# KiCad board yddraig68k.kicad_pcb (continued)
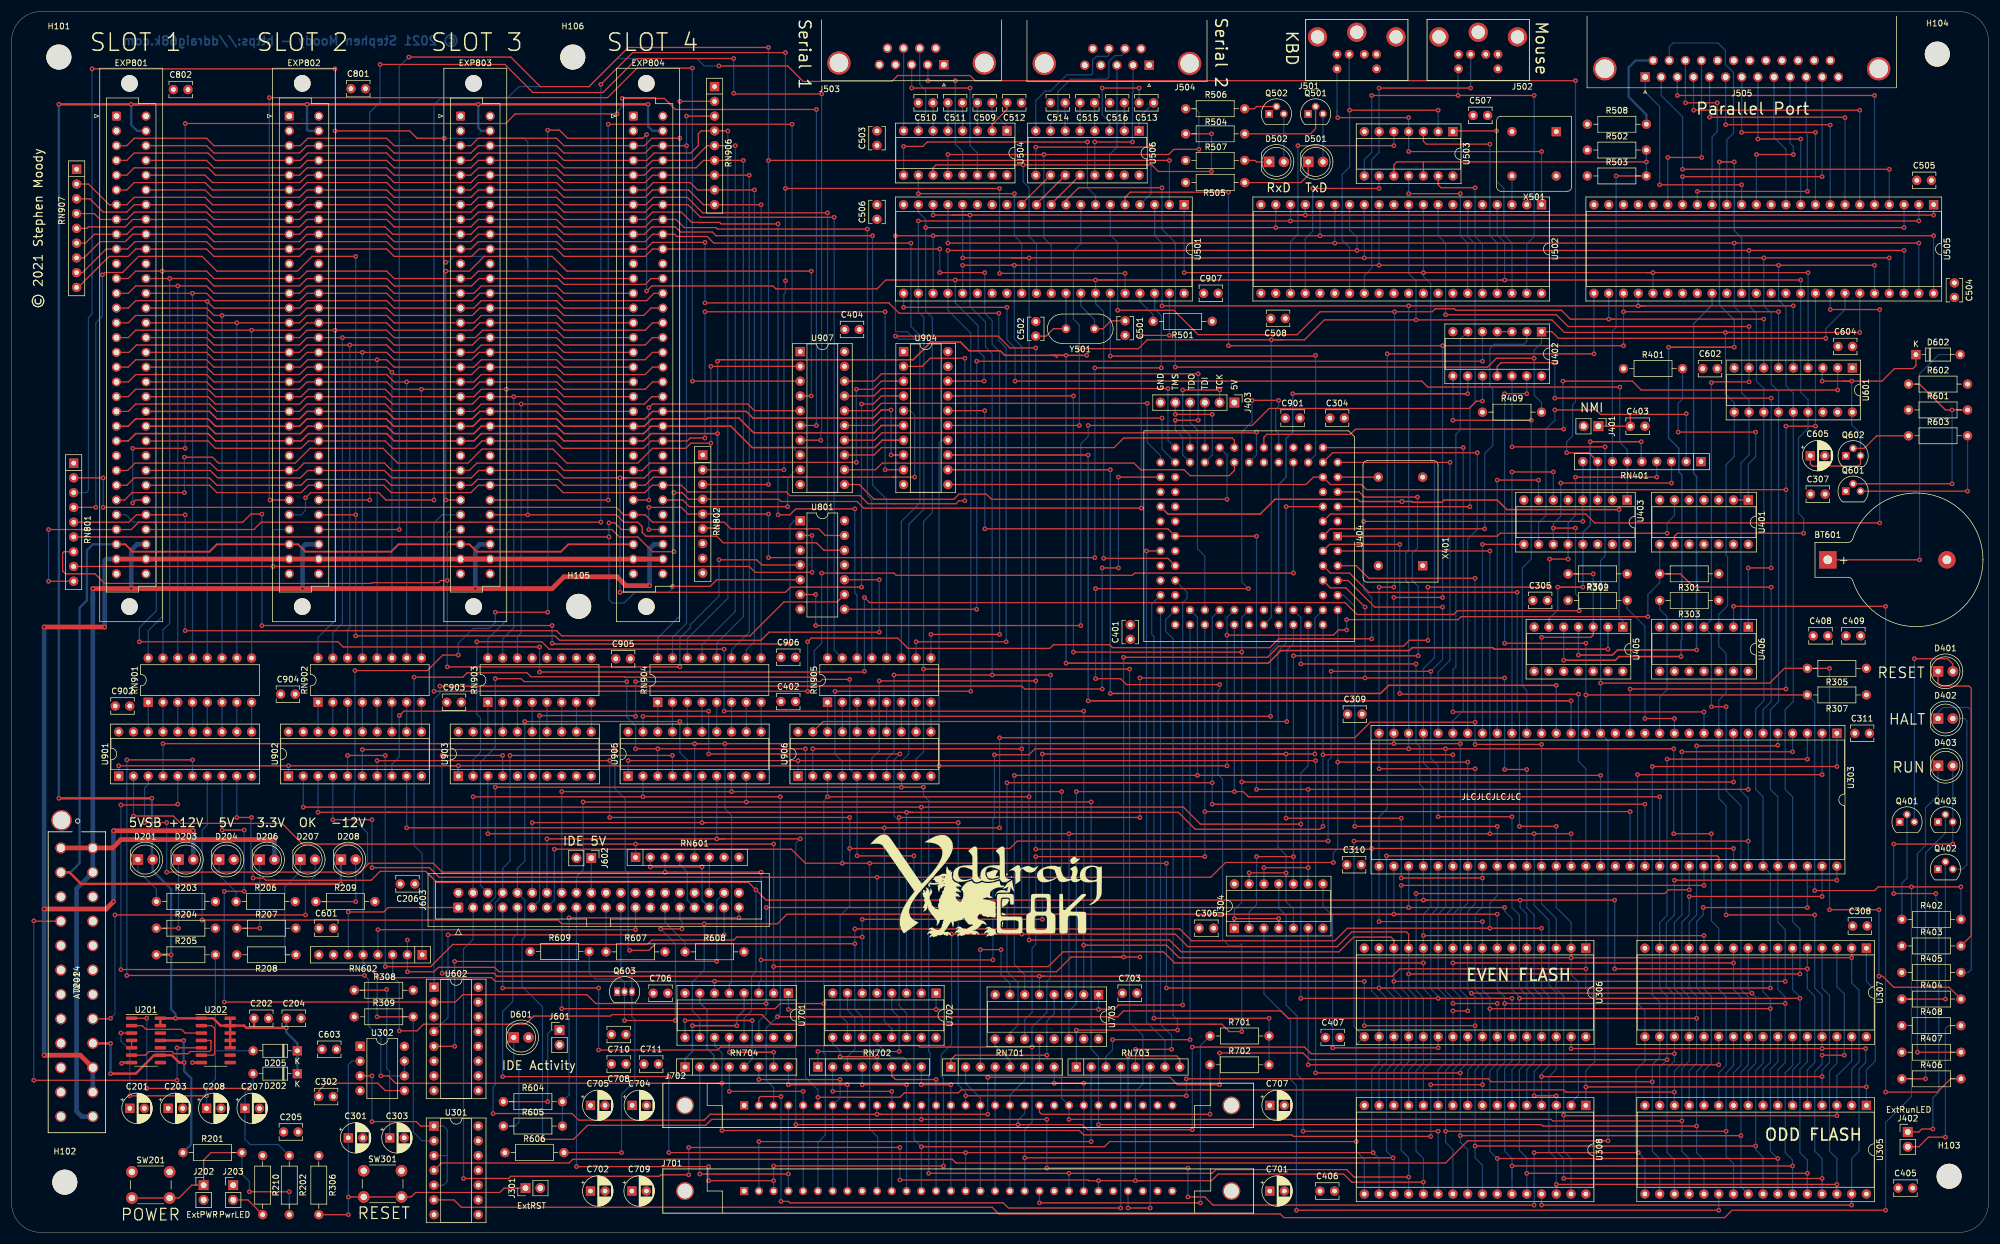
[diagram p0: board, top side]
## Routing (per net, layer and track width the routed paths; a pad name or vN(x,y) marks a point on that pad's centre or on a via; arc(x,y) is an arc through that point) (continued)
Net-(J702-Pad27): length 19
  Top w0.203: RN703.8 200.91,29.84 200.41,30.35 v1(192.02,30.35)
  Bottom w0.203: J702.27 v1(192.02,30.35)
Net-(Q401-Pad2): length 18.4
  Bottom w0.203: R402.1 325.12,60.07 326.01,60.96 Q401.2
Net-(Q402-Pad2): length 31.1
  Top w0.203: v1(332.61,40.13) R404.1
  Bottom w0.203: Q402.2 v1(332.61,40.13)
Net-(Q403-Pad2): length 51
  Top w0.203: v1(329.18,26.42) R406.1
  Bottom w0.203: v1(329.18,26.42) 329.18,65.28 332.61,68.71 Q403.2
Net-(Q501-Pad2): length 16.4
  Top w0.203: R504.1 223.39,188.98 224.28,189.87 Q501.2
Net-(Q502-Pad2): length 5.6
  Top w0.203: R506.1 213.74,193.29 214.12,193.68 Q502.2
Net-(Q601-Pad2): length 41.7
  Top w0.203: R602.1 328.17,145.92 332.61,141.48 v1(333.76,141.48) R601.2 ; Q601.2 v1(333.76,128.78)
  Bottom w0.203: v1(333.76,128.78) v1(333.76,141.48)
Net-(Q601-Pad3): length 27.9
  Top w0.203: Q601.3 v1(336.42,127.51)
  Bottom w0.203: v1(336.42,127.51) R603.2
Net-(Q602-Pad2): length 10.4
  Top w0.203: R603.1 320.8,137.03 318.64,134.87 Q602.2
Net-(R303-Pad2): length 23.9
  Bottom w0.203: U303.13 283.46,92.07 284.73,93.34 284.73,105.92 283.46,107.19 R303.2
Net-(R304-Pad2): length 29.2
  Top w0.203: v1(280.92,88.39) v1(286,88.39)
  Bottom w0.203: v1(286,88.39) U303.12 ; v1(280.92,88.39) 280.92,104.27 277.88,107.31 R304.2
Net-(R401-Pad2): length 39.3
  Top w0.203: v1(286.64,137.67) v1(299.97,137.67) ; U401.2 U401.1
  Bottom w0.203: v1(299.97,137.67) 299.97,133.41 298.7,132.14 U401.1 ; R401.2 287.4,143.38 286.64,142.62 v1(286.64,137.67)
Net-(R501-Pad2): length 5.8
  Bottom w0.203: U501.37 194.06,160.15 196.34,157.86 R501.2
Net-(RN401-Pad5): length 49.9
  Top w0.25: v1(271.53,136.02) v1(280.29,136.02) ; v1(265.94,111) v1(270.26,111)
  Bottom w0.25: v1(280.29,136.02) 280.29,132.72 RN401.5 ; 271.53,134.49 271.53,121.67 270.26,120.4 U403.13 v1(270.26,111) ; 271.53,134.49 271.53,134.75 ; 271.53,134.49 v1(271.53,136.02) ; U405.6 264.41,105.54 265.94,107.06 v1(265.94,111)
Net-(RN701-Pad1): length 29
  Top w0.203: RN701.1 161.54,29.72 162.31,30.48 v1(178.05,30.48)
  Bottom w0.203: v1(178.05,30.48) 178.05,36.32 179.32,37.59 U703.4
Net-(RN701-Pad3): length 32.1
  Top w0.203: v1(166.62,48.64) v1(170.18,48.64)
  Bottom w0.203: v1(166.62,48.64) RN701.3 ; v1(170.18,48.64) 170.18,44.32 171.7,42.8 U703.7
Net-(RN701-Pad5): length 5.9
  Bottom w0.25: RN701.5 171.7,29.59 169.16,32.13 U703.9
Net-(RN701-Pad7): length 4.8
  Bottom w0.25: RN701.7 U703.12
Net-(RN702-Pad1): length 27.2
  Top w0.203: v1(152.65,31.12) v1(138.68,31.12)
  Bottom w0.203: v1(152.65,31.12) 152.65,36.96 151.38,38.23 U702.4 ; v1(138.68,31.12) RN702.1
Net-(RN702-Pad3): length 13.8
  Bottom w0.203: U702.7 143.76,38.23 145.03,36.96 145.03,31.5 143.76,30.23 RN702.3
Net-(RN702-Pad5): length 12
  Top w0.203: v1(148.84,30.23) v1(142.49,30.23)
  Bottom w0.203: v1(142.49,30.23) 142.49,31.24 141.22,32.51 U702.9 ; RN702.5 v1(148.84,30.23)
Net-(RN702-Pad7): length 8.4
  Bottom w0.203: U702.12 148.84,32.51 151.26,30.1 153.42,30.1 153.92,29.59 RN702.7
Net-(RN704-Pad1): length 21.4
  Top w0.25: v1(117.09,35.56) v1(124.71,35.56)
  Bottom w0.25: RN704.1 115.82,29.84 117.09,31.12 v1(117.09,35.56) ; v1(124.71,35.56) 124.71,36.96 125.98,38.23 U701.4
Net-(RN704-Pad3): length 13.8
  Bottom w0.25: U701.7 118.36,39.5 119.63,38.23 119.63,31.62 120.78,30.48 120.78,28.57 RN704.3
Net-(RN704-Pad5): length 23.1
  Top w0.25: v1(127.38,36.45) v1(115.82,36.45)
  Bottom w0.25: U701.9 v1(115.82,36.45) ; RN704.5 127.38,29.85 v1(127.38,36.45)
Net-(RN704-Pad7): length 12.7
  Top w0.25: v1(131.06,30.99) v1(123.44,30.99)
  Bottom w0.25: v1(123.44,30.99) U701.12 ; RN704.7 v1(131.06,30.99)
Net-(RN901-Pad1): length 5.1
  Bottom w0.203: RN901.1 U901.18
Net-(RN901-Pad2): length 5.1
  Bottom w0.203: U901.17 RN901.2
Net-(RN901-Pad3): length 5.1
  Bottom w0.203: RN901.3 U901.16
Net-(RN901-Pad4): length 5.1
  Bottom w0.203: U901.15 RN901.4
Net-(RN901-Pad5): length 5.1
  Bottom w0.203: RN901.5 U901.14
Net-(RN901-Pad6): length 5.1
  Bottom w0.203: U901.13 RN901.6
Net-(RN901-Pad7): length 5.1
  Bottom w0.203: RN901.7 U901.12
Net-(RN901-Pad8): length 5.1
  Bottom w0.203: U901.11 RN901.8
Net-(RN902-Pad1): length 5.1
  Bottom w0.203: RN902.1 U902.18
Net-(RN902-Pad2): length 5.1
  Bottom w0.203: U902.17 RN902.2
Net-(RN902-Pad3): length 5.1
  Bottom w0.203: RN902.3 U902.16
Net-(RN902-Pad4): length 5.1
  Bottom w0.203: U902.15 RN902.4
Net-(RN902-Pad5): length 5.1
  Bottom w0.203: RN902.5 U902.14
Net-(RN902-Pad6): length 5.1
  Bottom w0.203: U902.13 RN902.6
Net-(RN902-Pad7): length 5.1
  Bottom w0.203: RN902.7 U902.12
Net-(RN902-Pad8): length 5.1
  Bottom w0.203: U902.11 RN902.8
Net-(RN903-Pad1): length 5.1
  Bottom w0.203: RN903.1 U903.18
Net-(RN903-Pad2): length 5.1
  Bottom w0.203: U903.17 84.46,91.19
Net-(RN903-Pad3): length 5.1
  Bottom w0.203: RN903.3 U903.16
Net-(RN903-Pad4): length 5.1
  Bottom w0.203: U903.15 RN903.4
Net-(RN903-Pad5): length 5.1
  Bottom w0.203: 92.08,91.19 U903.14
Net-(RN903-Pad6): length 5.1
  Bottom w0.203: U903.13 94.62,91.19
Net-(RN903-Pad7): length 5.1
  Bottom w0.203: RN903.7 U903.12
Net-(RN903-Pad8): length 5.1
  Bottom w0.203: U903.11 RN903.8
Net-(RN904-Pad1): length 5.1
  Bottom w0.203: RN904.1 111.12,86.11
Net-(RN904-Pad2): length 5.1
  Bottom w0.203: 113.66,86.11 RN904.2
Net-(RN904-Pad3): length 5.1
  Bottom w0.203: RN904.3 U905.16
Net-(RN904-Pad4): length 5.1
  Bottom w0.203: U905.15 RN904.4
Net-(RN904-Pad5): length 5.1
  Bottom w0.203: RN904.5 121.28,86.11
Net-(RN904-Pad6): length 5.1
  Bottom w0.203: U905.13 RN904.6
Net-(RN904-Pad7): length 5.1
  Bottom w0.203: RN904.7 U905.12
Net-(RN904-Pad8): length 5.1
  Bottom w0.203: 128.91,86.11 RN904.8
Net-(RN905-Pad1): length 5.1
  Bottom w0.203: RN905.1 U906.18
Net-(RN905-Pad2): length 5.1
  Bottom w0.203: U906.17 RN905.2
Net-(RN905-Pad3): length 5.1
  Bottom w0.203: RN905.3 U906.16
Net-(RN905-Pad4): length 5.1
  Bottom w0.203: 147.96,86.11 RN905.4
Net-(RN905-Pad5): length 5.1
  Bottom w0.203: RN905.5 U906.14
Net-(RN905-Pad6): length 5.1
  Bottom w0.203: U906.13 RN905.6
Net-(RN905-Pad7): length 5.1
  Bottom w0.203: RN905.7 155.58,86.11
Net-(RN905-Pad8): length 5.1
  Bottom w0.203: U906.11 RN905.8
Net-(U201-Pad2): length 12.5
  Top w0.203: U201.2 22.48,35.56 23.11,34.93 29.21,34.93 29.84,34.29 U202.3
Net-(U201-Pad4): length 1.3
  Top w0.203: U201.4 U201.5
Net-(U201-Pad6): length 17.6
  Top w0.203: U201.6 22.99,30.48 23.62,31.12 27.56,31.12 27.94,30.73 30.35,30.73 30.73,31.12 34.04,31.12 34.29,31.37 34.29,32.89 34.16,33.02 U202.4
Net-(U202-Pad2): length 9.2
  Top w0.203: U202.6 34.67,30.48 34.92,30.73 34.92,35.05 34.42,35.56 U202.2
Net-(U304-Pad3): length 126.3
  Top w0.203: v1(293.62,3.81) v1(220.98,3.81)
  Bottom w0.203: v1(220.98,3.81) 220.98,25.27 219.96,26.29 219.96,36.45 215.39,41.02 U304.3 ; U305.22 v1(293.62,3.81)
Net-(U304-Pad6): length 98.9
  Top w0.203: v1(293.62,28.83) v1(223.01,28.83)
  Bottom w0.203: v1(293.62,28.83) U307.22 ; U304.6 v1(223.01,28.83)
Net-(U304-Pad8): length 48.9
  Top w0.203: v1(227.2,31.75) v1(245.36,31.75)
  Bottom w0.203: U306.22 v1(245.36,31.75) ; v1(227.2,31.75) 227.2,54.48 225.55,56.13 U304.8
Net-(U304-Pad11): length 78.3
  Top w0.203: v1(222.12,17.4) v1(245.36,17.4)
  Bottom w0.203: v1(222.12,17.4) 222.12,26.16 221.11,27.18 221.11,37.21 219.2,39.12 219.2,54.48 217.93,55.75 U304.11 ; U308.22 v1(245.36,17.4)
Net-(U402-Pad3): length 2.5
  Top w0.203: U402.4 U402.3
Net-(U402-Pad11): length 98.4
  Top w0.203: U402.11 255.52,148.97 256.16,149.61 v1(265.43,149.61) ; v1(302.64,143.51) v1(265.43,143.51) ; v1(298.7,114.3) v1(302.64,114.3)
  Bottom w0.203: v1(265.43,143.51) v1(265.43,149.61) ; U406.1 v1(298.7,114.3) ; v1(302.64,114.3) v1(302.64,143.51)
Net-(U404-Pad9): length 7
  Top w0.203: U404.9 X401.8
Net-(U501-Pad4): length 35.5
  Top w0.203: v1(195.96,186.82) 195.83,186.69 v1(176.15,186.69)
  Bottom w0.203: U501.4 195.96,178.69 v1(195.96,186.82) ; U506.9 v1(176.15,186.69)
Net-(U501-Pad7): length 48.5
  Top w0.203: v1(153.42,186.82) 156.72,186.82 157.48,187.58 v1(185.04,187.58)
  Bottom w0.203: v1(185.04,187.58) 185.04,179.7 186.44,178.31 U501.7 ; v1(153.42,186.82) 153.42,181.61
Net-(U501-Pad10): length 7.1
  Top w0.203: U506.12 178.82,176.91 U501.10
Net-(U501-Pad11): length 7.1
  Top w0.203: U506.11 176.28,176.91 U501.11
Net-(U501-Pad12): length 7.3
  Top w0.203: U506.10 173.74,176.91 U501.12
  Bottom w0.203: 178.69,181.74 U506.10
Net-(U501-Pad29): length 37.1
  Top w0.203: v1(172.47,178.69) 156.52,178.69 v1(155.96,178.69)
  Bottom w0.203: v1(155.96,178.69) 155.96,181.61 ; U501.29 173.74,170.18 172.47,171.45 v1(172.47,178.69)
Net-(U502-Pad3): length 5.1
  Bottom w0.203: 258.06,181.86 U502.3
Net-(U502-Pad23): length 44.8
  Top w0.203: v1(221.23,186.94) v1(237.74,186.94)
  Bottom w0.203: U502.23 219.96,170.43 221.23,171.7 v1(221.23,186.94) ; v1(237.74,186.94) U503.5
Net-(U502-Pad24): length 32.1
  Top w0.203: v1(223.77,179.58) v1(235.2,179.58)
  Bottom w0.203: v1(223.77,179.58) 223.77,172.21 222.5,170.94 U502.24 ; v1(235.2,179.58) U503.9
Net-(U502-Pad35): length 29.6
  Top w0.203: v1(249.17,178.69) 249.17,178.69 v1(240.28,178.69)
  Bottom w0.203: U502.35 250.44,170.18 249.17,171.45 v1(249.17,178.69) ; U503.11 v1(240.28,178.69)
Net-(U502-Pad36): length 26.8
  Top w0.203: U503.13 245.36,180.21 245.87,179.7 v1(251.71,179.7)
  Bottom w0.203: v1(251.71,179.7) 251.71,171.32 252.98,170.05 U502.36
Net-(U502-Pad37): length 39.5
  Top w0.203: U503.3 242.82,187.71 243.33,187.2 v1(254.25,187.2)
  Bottom w0.203: U502.37 255.52,170.18 254.25,171.45 v1(254.25,187.2)
Net-(U502-Pad38): length 36.6
  Top w0.203: v1(255.4,189.48) 248.03,189.48 U503.1
  Bottom w0.203: v1(255.4,189.48) 255.4,180.85 256.67,179.58 256.67,171.58 258.06,170.18 U502.38

## Copper pours and planes (outline as drawn; the poured copper is in the pictures)
+5V on In1.Cu: 341.38,-2.54 -1.52,-2.54 -1.52,210.82 341.38,210.82
GND on In2.Cu: 341.38,-2.54 -1.52,-2.54 -1.52,210.82 341.38,210.82

## Text on the board
Bottom: © 2021 Stephen Moody - https://ddraig68k.com
F.SilkS: ExtPWR | PwrLED | ExtRST | JLCJLCJLCJLC | ExtRunLED | GND | TMS | TDO | TDI | TCK | 5V | 5VSB | +12V | 3.3V | OK | -12V | IDE Activity | IDE 5V | RxD | TxD | NMI | © 2021 Stephen Moody | RESET | HALT | RUN | POWER | Serial 2 | KBD | Mouse | Parallel Port | Serial 1 | EVEN FLASH | ODD FLASH | SLOT 1 | SLOT 2 | SLOT 3 | SLOT 4
